# Altium PCB XTRXr5.PcbDoc (part 5 of 5)
Units mm, origin at the board's own origin, x right, y up, seen from the top; angles counter-clockwise.
Board outline 50.8 x 29.7 mm, 8 copper layers (Top Layer, Layer 2 Plain, Layer 3, Layer 4, Layer 5 Plane, Layer 6, Layer 7 Plane, Bottom Layer), stack 1.008 mm thick; 452 components, 359 nets, 1868 pads, 1040 vias.
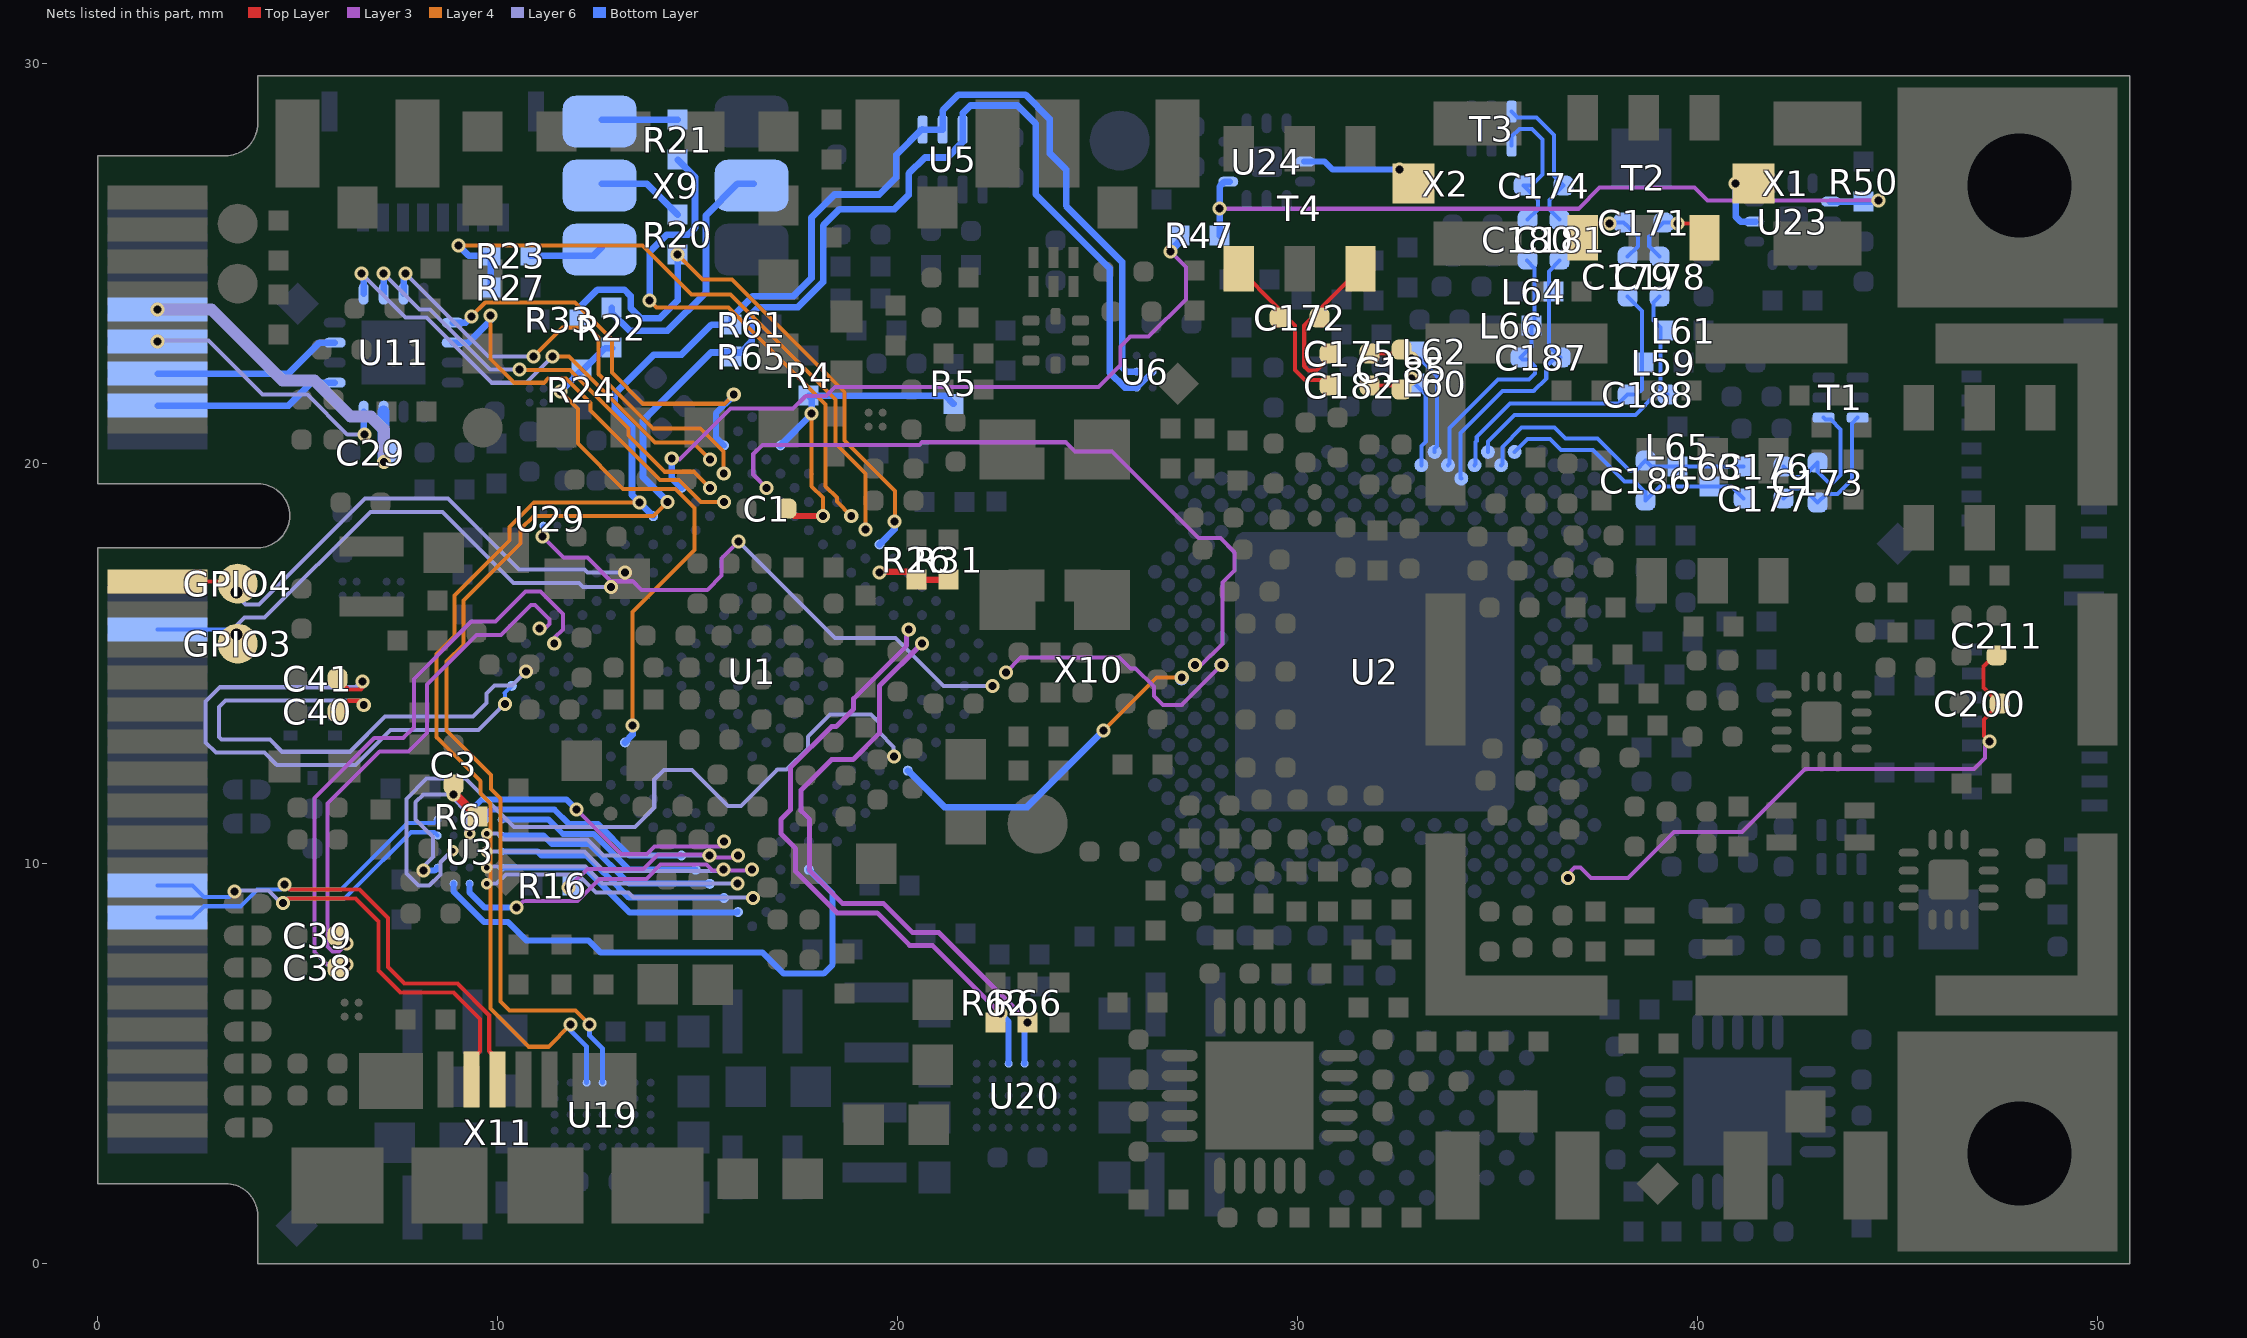
[diagram p11: the nets of this part, all layers, seen from the top]

## Via types
v1: diameter 0.352, hole 0.198, Top Layer to Bottom Layer, tented both sides, 495 vias
v2: diameter 0.352, hole 0.198, Layer 6 to Bottom Layer, tented both sides, 218 vias
v3: diameter 0.352, hole 0.198, Top Layer to Layer 3, tented both sides, 102 vias
v4: diameter 0.5, hole 0.3, Top Layer to Bottom Layer, tented both sides, 78 vias
v5: diameter 0.5, hole 0.25, Top Layer to Bottom Layer, tented both sides, 61 vias
v6: diameter 0.352, hole 0.198, Layer 6 to Bottom Layer, tented bottom, 31 vias
v7: diameter 0.352, hole 0.198, Top Layer to Bottom Layer, tented bottom, 19 vias
v8: diameter 0.29, hole 0.13, Layer 6 to Bottom Layer, tented both sides, 16 vias
v9: diameter 0.352, hole 0.198, Top Layer to Layer 3, tented top, 7 vias
v10: diameter 0.352, hole 0.198, Top Layer to Layer 3, tented bottom, 6 vias
v11: diameter 0.6, hole 0.3, Top Layer to Bottom Layer, tented both sides, 4 vias
v12: diameter 0.29, hole 0.13, Layer 6 to Bottom Layer, tented bottom, 2 vias
v13: diameter 0.352, hole 0.198, Top Layer to Layer 3, 1 vias

## Nets (pads, with @x,y where several pads share a name; then routed paths per layer and width w, separated by ;. In a path a pad name is that pad's centre, name@x,y a point inside that pad or via, vN(x,y) a via of type N, cw(c..) or ccw(c..) an arc to the next point about the centre after c; other vN are vias at no path point) (continued)
RXBW_P: C200.1 C211.1 U2.AN3 | length 15.1
  Top Layer w0.102: v3(47.3,13.05) 47.154,13.196 47.154,13.604 C200.1@47.55,14 47.15,14.4 47.15,14.925 47.4,15.175 C211.1@47.475,15.175
  Layer 3 w0.102: v1(36.754,9.639) 36.754,9.738 36.92,9.905 37.07,9.905 37.33,9.645 38.262,9.645 39.412,10.795 41.112,10.795 42.687,12.37 46.912,12.37 47.18,12.638 47.18,12.93 v3(47.3,13.05)
SCL1: R61.2 U1.M1 U5.5 U5.6 U6.B2 U19.E5 | length 47.7
  Layer 4 w0.102: v1(11.825,5.975) 11.273,5.423 10.777,5.423 9.825,6.375 9.825,11.5 9.575,11.75 9.575,12.062 8.475,13.162 8.475,15.242 8.925,15.692 8.925,16.7 10.3,18.075 10.3,18.413 10.912,19.025 v7(13.55,19.025)
  Bottom Layer w0.127: v1(11.825,5.975) 11.825,5.825 12.225,5.425 U19.E5@12.225,4.525
  Bottom Layer w0.17: U1.M1@13.887,18.688 v7(13.55,19.025) 13.361,19.214 13.361,20.919 12.925,21.355 12.925,21.743 13.908,22.725 14.6,22.725 15.35,23.475 R61.2@15.85,23.475 15.85,23.65 16.387,24.187 17.396,24.187 17.847,24.637 17.847,26.155 18.421,26.729 19.539,26.729 19.62,26.81 19.623,26.81 19.964,27.151 19.964,27.714 U5.5@20.613,28.363 ; U5.5@20.625,28.35 U5.6@21.125,28.35 21.125,28.825 21.525,29.225 23.192,29.225 23.8,28.617 23.8,27.763 24.213,27.35 24.213,26.446 25.612,25.046 25.612,22.413 25.725,22.3 U6.B2@25.975,22.3
SCL2: R62.2 U1.U14 U20.E5 | length 15.5
  Layer 3 w0.127: v7(20.276,15.851) 20.225,15.8 20.225,15.45 18.9,14.125 18.9,13.867 18.458,13.425 18.343,13.425 17.316,12.398 17.316,11.341 17.084,11.109 17.084,10.747 17.45,10.381 17.45,9.806 18.484,8.772 19.486,8.772 20.3,7.958 20.867,7.958 v1(22.575,6.25)
  Bottom Layer w0.152: v1(22.575,6.25) 22.775,6.05 U20.E5@22.775,5
SDA1: R65.2 U1.N1 U5.7 U6.B1 U6.C2 U19.D5 | length 47
  Layer 4 w0.102: v1(12.3,5.975) 11.95,6.325 10.3,6.325 10.075,6.55 10.075,11.625 9.832,11.868 9.832,12.218 8.725,13.325 8.725,15.05 9.146,15.471 9.146,16.576 10.575,18.004 10.575,18.369 10.902,18.697 13.897,18.697 v7(14.243,19.043)
  Bottom Layer w0.127: v1(12.3,5.975) 12.3,5.7 12.625,5.375 U19.D5@12.625,4.525
  Bottom Layer w0.15: U6.C2@25.975,21.9 U6.B1@26.375,22.3
  Bottom Layer w0.17: U1.N1@14.25,19.05 13.632,19.668 13.632,21.078 15.333,22.778 16.078,22.778 16.35,23.05 16.35,23.739 16.523,23.912 17.505,23.912 18.138,24.545 18.138,25.95 18.551,26.362 19.918,26.362 20.275,26.719 20.275,27.25 20.681,27.656 21.24,27.656 21.625,28.041 U5.7@21.625,28.35 21.625,28.76 21.818,28.953 22.997,28.953 23.45,28.5 23.45,26.736 25.3,24.886 25.3,22.278 25.678,21.9 U6.C2@25.975,21.9
SDA2: R66.2 U1.U15 U20.D5 | length 15.4
  Layer 3 w0.127: v7(20.607,15.507) 19.541,14.442 19.541,13.259 18.882,12.6 18.344,12.6 17.587,11.843 17.587,11.321 17.8,11.108 17.8,9.825 18.616,9.009 19.642,9.009 20.375,8.275 21.032,8.275 23.25,6.057 v1(23.25,6.025)
  Bottom Layer w0.152: U20.D5@23.175,5 23.175,5.95 v1(23.25,6.025)
SEL_VFLSH: R26.2 R31.1 U1.V11 | length 1.8
  Top Layer w0.17: v1(19.546,17.275) 19.571,17.3 20.275,17.3 R26.2@20.475,17.1 R31.1@21.275,17.1
SIM_CLK: U1.T1 U11.13 | length 11.7
  Layer 4 w0.102: v1(11.375,22.675) 11.781,22.675 13.931,20.525 14.882,20.525 v1(15.303,20.103)
  Layer 6 w0.102: v2(6.6,24.75) 7.7,23.65 8.225,23.65 9.852,22.023 10.712,22.023 11.364,22.675 v1(11.375,22.675)
  Bottom Layer w0.17: v2(6.6,24.75) 6.65,24.7 U11.13@6.65,24.25
SIM_DIO: U1.T2 U11.15 | length 12
  Layer 4 w0.102: v1(10.9,22.675) 11.625,23.4 12.275,23.4 12.525,23.15 12.525,22.236 13.886,20.875 15.075,20.875 15.651,20.299 v1(15.651,19.751)
  Layer 6 w0.102: v2(7.7,24.75) 9.771,22.679 10.896,22.679 v1(10.9,22.675)
  Bottom Layer w0.17: U11.15@7.65,24.25 7.65,24.7 v2(7.7,24.75)
SIM_ENA: U1.U1 U11.1 | length 10.4
  Layer 4 w0.102: v1(9.35,23.675) 9.35,23.689 9.689,24.028 11.934,24.028 12.853,23.109 12.853,22.283 13.638,21.498 15.672,21.498 v1(15.901,21.726)
  Bottom Layer w0.152: U1.U1@15.657,20.457 15.456,20.658 15.456,21.256 15.901,21.701 v1(15.901,21.726)
  Bottom Layer w0.17: U11.1@8.875,23.525 9.2,23.525 v1(9.35,23.675)
SIM_MOD: U1.R3 U11.2 | length 9.9
  Layer 4 w0.102: v1(9.825,23.7) 9.825,22.612 10.414,22.023 11.158,22.023 11.263,22.128 11.711,22.128 12.325,21.514 12.325,21.325 14.056,19.594 14.531,19.594 15.082,19.043 v1(15.657,19.043)
  Bottom Layer w0.17: U11.2@8.875,23.025 9.275,23.025 9.825,23.575 v1(9.825,23.7)
SIM_RST: U1.R2 U11.14 | length 11
  Layer 4 w0.102: v1(10.551,22.351) 10.555,22.347 11.803,22.347 13.275,20.875 13.275,20.7 14.177,19.798 14.902,19.798 v1(15.303,19.396)
  Layer 6 w0.102: v2(7.15,24.75) 8.047,23.853 8.309,23.853 9.811,22.351 v1(10.551,22.351)
  Bottom Layer w0.17: U11.14@7.15,24.25 v2(7.15,24.75)
T0_N: C41.1 U1.A2 | length 15
  Top Layer w0.102: C41.1@6,14.6 C41.1@6,14.625 6.273,14.352 6.577,14.352 6.625,14.4 v1(6.625,14.551)
  Layer 6 w0.102: v1@6.65,14.525 6.564,14.525 6.451,14.412 3.062,14.412 2.7,14.05 2.7,13.033 2.958,12.775 4.17,12.775 4.476,12.468 6.443,12.468 7.32,13.345 9.52,13.345 10.055,13.88 10.055,13.98 10.07,13.995 v2(10.18,13.995)
  Bottom Layer w0.102: v2(10.18,13.995) 10.18,14.262 10.175,14.268 U1.A2@10.354,14.446
T0_P: C40.1 U1.B2 | length 14.1
  Top Layer w0.102: C40.1@6,13.8 6.273,14.073 6.547,14.073 v1(6.652,13.968)
  Layer 6 w0.102: v1(6.652,13.968) 6.538,14.081 3.198,14.081 3.03,13.913 3.03,13.17 3.095,13.105 4.307,13.105 4.613,12.799 6.307,12.799 7.183,13.675 9.383,13.675 9.725,14.017 9.725,14.25 9.925,14.45 10.357,14.45 v2(10.707,14.8)
T1_N: C39.1 U1.D1 | length 13.5
  Top Layer w0.102: C39.1@6,8.2 6.225,7.975 v1(6.225,8)
  Layer 3 w0.102: v1(6.225,8) 6.03,7.805 5.87,7.805 5.75,7.925 5.75,11.508 7.051,12.809 7.775,12.809 8.237,13.271 8.237,14.481 9.476,15.72 10.087,15.72 10.837,16.47 10.936,16.47 11.3,16.106 11.3,15.992 11.183,15.875 v1(11.05,15.875)
  Bottom Layer w0.102: U1.D1@10.975,15.95 v1(11.05,15.875) 11.061,15.864 U1.D1@11.061,15.861
T1_P: C38.1 U1.D2 | length 14.9
  Layer 3 w0.102: v1(6.225,7.475) 5.733,7.475 5.592,7.617 5.42,7.788 5.42,11.645 6.914,13.139 7.639,13.139 7.907,13.408 7.907,14.618 9.339,16.05 9.95,16.05 10.7,16.8 11.073,16.8 11.63,16.243 11.63,15.855 11.425,15.65 11.425,15.518 v1(11.414,15.507)
T_SW: R47.1 U1.P1 | length 17.3
  Layer 3 w0.102: v1@14.35,20.1 14.545,20.1 15.823,21.378 17.388,21.378 17.702,21.692 18.212,21.692 18.438,21.918 25.018,21.918 25.566,22.466 25.566,22.926 25.814,23.175 26.275,23.175 27.208,24.108 27.208,24.917 v1(26.825,25.3)
  Bottom Layer w0.17: v1(14.351,20.126) 14.35,19.642 U1.P1@14.596,19.396
  Bottom Layer w0.2: v1(26.825,25.3) 26.825,25.325 R47.1@27.05,25.55
TA1_N: C173.2 C177.1 T1.3 | length 3.8
  Bottom Layer w0.102: C177.1@42.15,19.125 42.409,19.384 42.641,19.384 C173.2@43,19.025 43.221,19.246 43.496,19.246 43.854,19.604 43.854,21.004 T1.3@44,21.15
TA1_P: C173.1 C176.1 T1.4 | length 3.8
  Bottom Layer w0.102: C176.1@42.15,19.925 42.41,19.665 42.64,19.665 C173.1@43,20.025 43,19.8 43.275,19.525 43.38,19.525 43.575,19.72 43.575,20.854 43.329,21.099 43.201,21.099 T1.4@43.15,21.15
TA2_N: C171.2 C179.2 T2.2 | length 2.3
  Top Layer w0.102: T2.2@37.13,25.65 37.48,26 v1(37.8,26)
  Bottom Layer w0.102: v1@37.825,26.025 C171.2@38.15,26.025 38.201,25.974 38.211,25.974 38.51,25.675 38.51,25.435 C179.2@38.25,25.175
TA2_P: C171.1 C178.2 T2.1 | length 2.5
  Top Layer w0.102: v1(39.5,26) 40.17,26 T2.1@40.17,25.65
  Bottom Layer w0.102: C178.2@39.05,25.175 38.79,25.435 38.79,25.675 39.089,25.974 39.099,25.974 C171.1@39.15,26.025 39.475,26.025 v1(39.5,26)
TB1_N: C174.1 C181.1 T3.3 | length 3.8
  Bottom Layer w0.102: T3.3@35.35,28.8 35.5,28.65 35.975,28.65 36.29,28.335 36.29,28.333 36.404,28.219 36.404,27.196 C174.1@36.65,26.95 36.29,26.59 36.29,26.36 C181.1@36.55,26.1
TB1_P: C174.2 C180.1 T3.4 | length 3.8
  Bottom Layer w0.102: T3.4@35.35,27.95 35.35,28.175 35.544,28.369 35.859,28.369 36.125,28.103 36.125,27.225 35.85,26.95 C174.2@35.65,26.95 36.009,26.591 36.009,26.359 C180.1@35.75,26.1
TB2_N: C172.1 C182.2 T4.2 | length 4.5
  Top Layer w0.102: T4.2@28.53,24.875 29.499,23.906 C172.1@29.499,23.701 ; C172.1@29.499,23.451 C172.1@29.499,23.701 ; C182.2@30.8,21.95 30.654,22.096 30.18,22.096 29.936,22.341 29.936,23.45 29.787,23.599 29.601,23.599 C172.1@29.55,23.65 C172.1@29.499,23.701
TB2_P: C172.2 C175.2 T4.1 | length 4.3
  Top Layer w0.102: C172.2@30.601,23.451 C172.2@30.601,23.701 ; C175.2@30.8,22.75 30.749,22.699 30.749,22.599 30.475,22.325 30.275,22.325 30.164,22.436 30.164,23.45 30.314,23.599 30.499,23.599 C172.2@30.55,23.65 C172.2@30.601,23.701 ; T4.1@31.57,24.875 30.601,23.906 C172.2@30.601,23.701
TCK: R22.1 X9.5 | length 6.5
  Bottom Layer w0.17: R22.1@12.85,23.9 12.85,23.766 13.291,23.325 14.25,23.325 15.208,24.283 15.208,26.208 16,27 X9.5@16.4,27
TCK_0: R22.2 R24.2 U1.C8 | length 13.4
  Layer 4 w0.102: v1(11.575,21.8) 12.003,21.372 12.003,20.503 13.135,19.371 14.445,19.371 14.925,18.892 14.925,17.846 13.372,16.293 13.372,13.453 v1(13.375,13.45)
  Bottom Layer w0.17: v1(11.575,21.8) R24.2@12.1,22.325 ; R22.2@12.862,22.888 12.688,22.888 R24.2@12.125,22.325 ; U1.C8@13.182,13.032 13.375,13.225 v1(13.375,13.45) ; R24.2@12.1,22.325 R24.2@12.125,22.325 ; R24.2@12.1,22.325 R24.2@12.1,22.35 R24.2@12.125,22.325
TDD_GPIO3_N: GPIO4.1 U1.J2 X10.17 | length 13.9
  Top Layer w0.102: X10.17@1.5,17.05 GPIO4.1@3.45,17.05
  Layer 6 w0.102: v4@3.5,17 3.5,16.675 3.695,16.48 4.038,16.48 6.683,19.125 8.755,19.125 10.53,17.35 12.167,17.35 12.242,17.275 v2(13.182,17.275)
  other v4: 3.475,16.775
TDD_GPIO3_P: GPIO3.1 U1.H2 X10.20 | length 13.6
  Layer 6 w0.102: v4(3.475,15.725) 3.475,15.95 3.675,16.15 4.175,16.15 6.82,18.795 8.618,18.795 10.393,17.02 12.03,17.02 12.129,16.921 v2(12.828,16.921)
  Bottom Layer w0.102: X10.20@1.5,15.85 3.35,15.85 v4(3.475,15.725)
TDI: R20.1 X9.2 | length 2.2
  Bottom Layer w0.17: X9.2@12.6,27 13.725,27 R20.1@14.5,26.225
TDI_0: R20.2 R33.1 U1.W10 | length 14.5
  Layer 4 w0.102: v1(14.5,25.225) 15.125,24.6 15.861,24.6 18.675,21.786 18.675,20.575 19.928,19.322 19.928,18.553 v1(19.925,18.55)
  Bottom Layer w0.17: 12.05,23.9 12.5,24.35 13.164,24.35 13.325,24.189 13.325,23.887 13.575,23.637 14.062,23.637 14.5,24.075 v1(14.5,25.225) ; U1.W10@19.546,17.982 19.925,18.361 v1(19.925,18.55)
TDO: R21.1 X9.1 | length 1.9
  Bottom Layer w0.17: X9.1@12.6,28.6 R21.1@14.5,28.6
TDO_0: R21.2 U1.W8 | length 13
  Layer 4 w0.102: v1(13.8,24.075) 13.975,23.9 15.775,23.9 18.2,21.475 18.2,19.436 18.478,19.157 18.478,19.05 v1(18.839,18.689)
  Bottom Layer w0.17: v1(13.8,24.075) 13.8,25.289 14.236,25.725 14.764,25.725 14.937,25.898 14.937,27.163 R21.2@14.5,27.6
TMS: R23.1 X9.3 | length 1.9
  Bottom Layer w0.17: R23.1@10.825,25.2 12.4,25.2 X9.3@12.55,25.35 X9.3@12.6,25.4
TMS_0: R23.2 R27.1 U1.W9 | length 16.3
  Layer 4 w0.102: v1(9.025,25.45) 13.625,25.45 14.85,24.225 15.825,24.225 18.45,21.6 18.45,20.5 19.192,19.758 v1(19.192,18.354)
  Bottom Layer w0.17: v1(9.025,25.45) 9.275,25.2 R23.2@9.825,25.2 9.825,25.025 R27.1@9.825,24.4
TX_EN: U1.W19 U2.U29 | length 6.6
  Layer 3 w0.102: v1(22.703,14.777) 23.075,15.15 25.55,15.15 25.817,14.883 25.951,14.883 26.405,14.429 26.405,14.195 26.627,13.972 27.101,13.972 v1(28.096,14.967)
TX_SW: R47.2 R50.2 U23.7 U24.7 | length 19.6
  Layer 3 w0.102: v1(28.05,26.375) 28.052,26.373 37.023,26.373 37.55,26.9 39.925,26.9 40.25,26.575 v1(44.525,26.575)
  Bottom Layer w0.17: R47.2@28.05,25.7 v1(28.05,26.375) 28.05,26.925 28.175,27.05 U24.7@28.295,27.05 ; U23.7@43.305,26.55 U23.7@43.335,26.55 R50.2@44.15,26.55 44.5,26.55 v1(44.525,26.575)
TXA: U23.2 X1.1 | length 1.4
  Bottom Layer w0.17: v1(40.95,27) 40.95,26.175 41.075,26.05 U23.2@41.415,26.05 U23.2@41.445,26.05
TXA1_N: C177.2 C186.2 L63.2 U2.A7 | length 6.9
  Bottom Layer w0.102: U2.A7@35.422,20.295 35.748,20.621 36.309,20.621 36.584,20.346 37.379,20.346 38.175,19.55 38.425,19.55 38.7,19.275 C186.2@38.7,19.075 39.06,19.435 40.84,19.435 C177.2@41.15,19.125
TXA1_P: C176.2 C186.1 L65.2 U2.B8 | length 7.3
  Bottom Layer w0.102: U2.B8@35.089,19.962 35.116,19.989 35.116,20.421 35.595,20.9 36.425,20.9 36.7,20.625 37.495,20.625 38.291,19.829 38.454,19.829 C186.1@38.7,20.075 38.85,19.925 L65.2@39.5,19.925 C176.2@41.15,19.925
TXA2_N: C179.1 C188.2 L59.2 U2.B10 | length 7.8
  Bottom Layer w0.102: U2.B10@34.423,19.962 34.45,19.989 34.45,20.54 34.476,20.567 34.476,20.671 35.305,21.5 38.025,21.5 C188.2@38.25,21.725 38.475,21.725 38.61,21.86 38.61,23.815 C179.1@38.25,24.175
TXA2_P: C178.1 C188.1 L61.2 U2.A9 | length 7.9
  Bottom Layer w0.102: U2.A9@34.756,20.295 34.756,20.555 35.421,21.221 38.445,21.221 38.949,21.725 C188.1@39.25,21.725 39.075,21.9 39.075,23.408 38.9,23.583 38.9,24.025 C178.1@39.05,24.175
TXB: U24.2 X2.1 | length 2.5
  Bottom Layer w0.152: U24.2@30.155,27.55 U24.2@30.185,27.55 30.675,27.55 30.875,27.35 v1(32.55,27.35)
TXB1_N: C181.2 C187.1 L64.2 U2.C11 | length 7.3
  Bottom Layer w0.102: U2.C11@34.09,19.629 34.075,19.643 34.075,20.771 35.125,21.821 35.901,21.821 36.215,22.134 36.215,22.425 36.389,22.599 36.524,22.599 C187.1@36.575,22.65 36.279,22.946 36.279,24.804 C181.2@36.55,25.075
TXB1_P: C180.2 C187.2 L66.2 U2.B12 | length 6.9
  Bottom Layer w0.102: U2.B12@33.757,19.962 33.796,20.001 33.796,20.886 35.009,22.1 35.785,22.1 35.935,22.25 35.935,22.425 35.761,22.599 35.626,22.599 C187.2@35.575,22.65 35.85,22.925 L66.2@35.85,23.45 ; C180.2@35.733,25.075 35.923,24.885 L66.2@35.923,23.45
TXB2_N: C182.1 C185.1 L60.2 U2.B14 | length 2.9
  Top Layer w0.102: C182.1@31.8,21.95 C185.1@32.5,21.95
  Bottom Layer w0.102: L60.2@32.925,22 33.202,21.723 33.202,20.552 33.091,20.441 U2.B14@33.091,19.962
  other v1: 32.85,22.125
TXB2_P: C175.1 C185.2 L62.2 U2.A13 | length 3.2
  Top Layer w0.102: C175.1@31.8,22.75 C185.2@32.5,22.75
  Bottom Layer w0.102: L62.2@33.049,22.625 33.483,22.191 33.484,20.436 33.424,20.375 U2.A13@33.424,20.295
  other v1: 32.85,22.625
TXNRX1: U1.M19 U2.V32 | length 8.6
  Layer 4 w0.102: v1(25.15,13.325) 26.476,14.651 v1(27.101,14.651)
  Bottom Layer w0.17: U1.M19@20.253,12.325 21.165,11.413 23.238,11.413 v1(25.15,13.325)
TXNRX2: U1.U4 U2.U31 | length 17.6
  Layer 3 w0.102: v1(16.718,19.396) 16.389,19.725 16.389,20.239 16.618,20.469 20.539,20.469 20.607,20.536 24.201,20.536 24.437,20.3 25.36,20.3 27.52,18.14 28.072,18.14 28.426,17.786 28.426,17.334 28.117,17.025 28.117,15.496 27.587,14.967 v1(27.43,14.967)
UIM_CLK: U11.11 X10.12 | length 4.7
  Bottom Layer w0.17: X10.12@1.5,22.25 4.775,22.25 5.55,23.025 U11.11@5.925,23.025
UIM_DIO: U11.8 X10.10 | length 6.7
  Layer 6 w0.102: v2@1.525,23.075 2.775,23.075 4.125,21.725 5.239,21.725 6.238,20.726 v2(6.675,20.726)
  Bottom Layer w0.17: v2@6.65,20.725 U11.8@6.65,21.3
  other v2: 1.5,23.05
UIM_RST: U11.9 X10.14 | length 4.7
  Bottom Layer w0.17: X10.14@1.5,21.45 4.775,21.45 5.35,22.025 U11.9@5.925,22.025
UIM_VCC: C29.1 U11.7 X10.8 | length 9
  Layer 6 w0.3: v2@1.5,23.85 2.85,23.85 4.625,22.075 5.425,22.075 6.325,21.175 6.831,21.175 7.154,20.852 v2(7.154,20.046)
  Bottom Layer w0.3: v2@7.15,20.046 U11.7@7.15,21.3
  other v2: 1.5,23.85
USB_3.3V: C3.2 R6.1 U3.B1 U3.D3 | length 5.6
  Top Layer w0.203: C3.2@8.9,11.975 8.9,11.775 R6.1@9.5,11.175
  Layer 6 w0.102: v2(8.15,9.825) 8.15,9.936 8.378,10.164 8.378,10.672 7.947,11.103 7.947,11.537 8.139,11.729 v1(8.896,11.729)
  Layer 6 w0.25: v1(8.896,11.729) 9.3,11.325 v8(9.3,10.75)
  Bottom Layer w0.152: v2(8.15,9.825) 8.425,9.825 U3.B1@8.5,9.9
USB_26M: U1.E19 U3.A2 | length 13.2
  Bottom Layer w0.15: U3.A2@8.9,9.5 8.9,9.3 9.653,8.547 10.253,8.547 10.725,8.075 12.275,8.075 12.575,7.775 16.625,7.775 17.15,7.25 18.15,7.25 18.375,7.475 18.375,9.253 U1.E19@17.778,9.85
USB_CLK: R16.2 U1.C16 | length 4.6
  Layer 3 w0.102: v1(11.776,9.4) 12.247,9.872 13.645,9.872 14.005,10.232 15.245,10.232 15.327,10.15 v1@16,10.15
  other v1: 16.007,10.2
USB_D0: U1.B17 U3.B4 | length 6.5
  Layer 6 w0.102: v8(9.725,9.9) 9.757,9.932 12.193,9.932 12.625,9.5 v2@16.05,9.5
  other v2: 16,9.507
USB_D1: U1.A17 U3.C5 | length 6.1
  Bottom Layer w0.15: U3.C5@10.1,10.3 11,10.3 11.1,10.2 12.231,10.2 12.604,9.827 12.752,9.679 13.281,9.15 U1.A17@15.675,9.15
USB_D2: U1.B16 U3.C4 | length 6.1
  Layer 6 w0.102: v12(9.725,10.3) 12.175,10.3 12.653,9.822 15.597,9.822 v2@15.625,9.85
  other v2: 15.65,9.857
USB_D3: U1.A16 U3.D5 | length 5.7
  Bottom Layer w0.15: U3.D5@10.1,10.7 11.15,10.7 11.359,10.491 12.296,10.491 13.287,9.5 U1.A16@15.3,9.5
USB_D4: U1.B15 U3.D4 | length 5.8
  Layer 6 w0.102: v12(9.725,10.75) 10,10.75 10.15,10.6 12.25,10.6 12.65,10.2 v2@15.3,10.2
  other v2: 15.3,10.207
USB_D5: U1.A15 U3.E5 | length 5.4
  Bottom Layer w0.15: U3.E5@10.1,11.1 11.275,11.1 11.633,10.742 12.4,10.742 13.292,9.85 U1.A15@14.95,9.85
USB_D6: U1.A14 U3.E4 | length 5.6
  Bottom Layer w0.15: U3.E4@9.7,11.1 9.7,11.225 9.83,11.355 11.414,11.355 11.776,10.994 12.504,10.994 13.294,10.204 U1.A14@14.596,10.204
USB_D7: U1.C15 U3.E3 | length 7.4
  Layer 3 w0.102: v1(11.975,11.35) 13.078,10.247 13.732,10.247 13.921,10.435 15.56,10.435 v1@15.675,10.55
  Bottom Layer w0.15: U3.E3@9.3,11.1 9.3,11.3 9.607,11.607 11.718,11.607 v1(11.975,11.35)
  other v1: 15.657,10.55
USB_D_N: U3.D1 X10.36 X11.2 | length 16.7
  Top Layer w0.102: v1(4.634,9.017) 4.742,9.125 6.45,9.125 7.025,8.55 7.025,7.325 7.575,6.775 8.9,6.775 9.561,6.114 9.561,5.311 9.35,5.1 X11.2@9.35,4.6
  Layer 6 w0.102: v2(3.425,9.3) 3.455,9.33 4.27,9.33 4.625,8.975 4.65,9 v1(4.634,9.017)
  Bottom Layer w0.102: X10.36@1.5,9.45 2.375,9.45 2.661,9.164 3.289,9.164 v2(3.425,9.3) ; v1(4.634,9.017) 4.634,9.034 4.726,9.126 6.175,9.125 6.4,9.35 7.836,10.786 8.414,10.786 U3.D1@8.5,10.7
USB_D_P: U3.E1 X10.38 X11.3 | length 17
  Top Layer w0.102: v1(4.675,9.475) 4.796,9.354 6.545,9.354 7.254,8.645 7.254,7.42 7.67,7.004 8.995,7.004 9.789,6.209 9.789,5.311 10,5.1 X11.3@10,4.6
  Bottom Layer w0.102: X10.38@1.5,8.65 2.375,8.65 2.66,8.935 3.569,8.935 3.981,9.348 4.092,9.348 4.098,9.354 4.579,9.354 4.675,9.45 v1(4.675,9.475) 4.7,9.475 4.821,9.354 6.081,9.354 7.741,11.014 8.414,11.014 U3.E1@8.5,11.1
USB_DIR: U1.B18 U3.A4 | length 7.1
  Layer 6 w0.102: v8(9.725,9.5) 9.975,9.5 10.204,9.729 12.003,9.729 12.454,9.277 13.273,9.277 13.4,9.15 v2@16.45,9.15
  other v2: 16.383,9.144
USB_NRST: U1.M18 U3.C2 | length 19.8
  Layer 6 w0.102: v8(8.875,10.325) 8.861,10.325 8.572,10.036 8.572,9.732 8.289,9.45 8.025,9.45 7.722,9.753 7.722,11.622 8.225,12.125 9.2,12.125 10.403,10.922 13.435,10.922 13.914,11.4 13.914,12.108 14.153,12.347 14.853,12.347 15.753,11.447 16.087,11.447 16.99,12.35 17.225,12.35 17.754,12.879 17.754,13.174 18.309,13.728 19.336,13.728 19.528,13.536 19.528,13.292 19.9,12.921 19.9,12.678 v2(19.903,12.675)
USB_NXT: U1.A18 U3.B5 | length 6.4
  Bottom Layer w0.15: U3.B5@10.1,9.9 12.175,9.9 12.497,9.578 12.5,9.575 13.3,8.775 15.975,8.775 U1.A18@16,8.8
USB_STP: U1.C17 U3.A3 | length 7.9
  Layer 3 w0.102: v1(10.475,8.9) 10.647,9.072 11.997,9.072 12.547,9.622 13.722,9.622 14.075,9.975 15.214,9.975 15.364,9.825 v1@16.35,9.825
  Bottom Layer w0.15: U3.A3@9.3,9.5 9.3,9.275 9.675,8.9 v1(10.475,8.9)
  other v1: 16.357,9.85
VCC_SEL: U1.V19 U29.B1 | length 14.3
  Layer 3 w0.102: v1(11.125,18.175) 11.65,17.65 12.247,17.65 12.836,17.061 13.377,17.061 13.594,16.843 15.239,16.843 15.6,17.204 15.6,17.625 v1(16.025,18.05)
  Layer 6 w0.102: v1(16.025,18.05) 18.428,15.647 19.945,15.647 21.146,14.446 v2(22.374,14.446)
  Bottom Layer w0.102: v1(11.125,18.175) 11.133,18.183 11.133,18.442 U29.B1@11.142,18.45
VREF: C1.2 R4.2 R5.1 U1.V7 U1.W3 | length 9
  Top Layer w0.15: C1.2@17.225,18.875 17.411,18.689 v7(18.132,18.689)
  Layer 4 w0.102: v1(17.85,21.25) 17.85,19.435 18.132,19.154 v7(18.132,18.689)
  Bottom Layer w0.17: U1.W3@17.071,20.457 17.85,21.236 v1(17.85,21.25) 17.85,21.625 R4.2@17.775,21.7 21.192,21.7 R5.1@21.396,21.496
pads on no net: T1.6 T2. T3.6 T4. T6.6 T7. T9.6 T10. U1.A11 U1.B11 U1.J18 U1.K18 U1.P18 U1.R18 U1.T18 U1.U18 U1.V13 U2.A5 U2.A21 U2.AA5 U2.AB2 U2.AB4 U2.AB6 U2.AC3 U2.AC5 U2.AD2 U2.AE1 U2.AE5 U2.AG3 U2.AG33 U2.AH2 U2.AH4 U2.AH32 U2.AJ1 U2.AJ3 U2.AJ5 U2.AJ11 U2.AJ13 U2.AJ21 U2.AJ27 U2.AJ29 U2.AJ31 U2.AJ33 U2.AK2 U2.AK4 U2.AK6 U2.AK8 U2.AK10 U2.AK26 U2.AK28 U2.AK30 U2.AK32 U2.AK34 U2.AL3 U2.AL5 U2.AL7 U2.AL9 U2.AL11 U2.AL27 U2.AL29 U2.AL31 U2.AL33 U2.AM6 U2.AM10 U2.AM24 U2.AM28 U2.AM30 U2.AM34 U2.AN27 U2.AN29 U2.AN31 U2.AP30 U2.AP32 U2.B2 U2.B4 U2.C1 U2.C3 U2.C5 U2.C9 U2.C13 U2.C15 U2.C17 U2.C19 U2.C27 U2.C31 U2.D2 U2.D4 U2.D8 U2.D10 U2.D12 U2.D14 U2.D18 U2.D26 U2.D30 U2.D32 U2.E3 U2.E9 U2.E11 U2.E13 U2.E15 U2.E23 U2.E29 U2.E31 U2.F2 U2.F4 U2.F10 U2.F12 U2.F14 U2.F16 U2.F26 U2.F32 U2.G1 U2.G29 U2.J1 U2.M2 U2.M6 U2.V30 U2.Y6 U4'.A1 U4'.A2 U4'.A3 U4'.A4 U4'.B1 U4'.C1 U4'.C3 U4'.D1 U4'.E1 U4'.E2 U4'.E3 U4'.E4 U4'.F1 U4'.F2 U4'.F3 U4'.F4 U4.A2 U4.A3 U4.A4 U4.A5 U4.B1 U4.B5 U4.C1 U4.C3 U4.C5 U4.D1 U4.D5 U4.E1 U4.E2 U4.E3 U4.E4 U4.E5 U6.C1 U11.4 U11.6 U11.12 U11.16 U13.7 U13.8 U13.11 U13.12 U19.D2 U20.D2 U21.9 U21.17 U22.9 U22.17 U25.1 U25.8 U25.10 U25.11 U25.12 U25.14 U26.1 U26.8 U26.10 U26.11 U26.12 U26.14 U30.1 U30.9 X10.1 X10.6 X10.16 X10.24 X10.28 X10.48 X11.4

## Polygon pours and split planes (outlines as drawn)
GND on Layer 4 "gnd-4" (solid, remove dead copper, pour order 17): 50.778,0.004 50.778,29.704 -0.022,29.704 -0.022,0.004
GND on Top Layer "gnd-top" (solid, remove dead copper, pour order 19): 2.9,29.7 2.9,0 50.8,0 50.8,29.7
GND on Layer 3 "gnd-3" (solid, remove dead copper, pour order 18): 50.723,-0.011 50.723,29.689 -0.077,29.689 -0.077,-0.011
GND on Layer 6 "gnd-6" (solid, remove dead copper, pour order 14): 50.8,0 50.8,29.7 0,29.7 0,0
GND on Bottom Layer "gnd-bot" (solid, remove dead copper, pour order 16): 50.691,0.008 50.691,29.708 2.791,29.708 2.791,0.008
GND on Layer 2 Plain (split plane): 50.598,0.202 4.202,0.202 4.202,1.2 4.194,1.331 4.168,1.459 4.126,1.584 4.068,1.701 3.995,1.81 3.909,1.909 3.81,1.995 3.701,2.068 3.584,2.126 3.459,2.168 3.331,2.194 3.2,2.202 0.202,2.202 0.202,17.698 4,17.698 4.131,17.706 4.259,17.732 4.384,17.774 4.501,17.832 4.61,17.905 4.709,17.991 4.795,18.09 4.868,18.199 4.926,18.316 4.968,18.441 4.994,18.569 5.002,18.7 4.994,18.831 4.968,18.959 4.926,19.084 4.868,19.201 4.795,19.31 4.709,19.409 4.61,19.495 4.501,19.568 4.384,19.626 4.259,19.668 4.131,19.694 4,19.702 0.202,19.702 0.202,27.498 3.2,27.498 3.331,27.506 3.459,27.532 3.584,27.574 3.701,27.632 3.81,27.705 3.909,27.791 3.995,27.89 4.068,27.999 4.126,28.116 4.168,28.241 4.194,28.369 4.202,28.5 4.202,29.498 50.598,29.498
+3.3/5VIN on Layer 5 Plane (split plane): 10.723,15.809 9.282,14.368 9.25,14.326 9.23,14.277 9.223,14.225 9.223,12.4 9.223,11.325 9.223,10.484 7.982,9.243 7.95,9.201 7.93,9.152 7.923,9.1 7.923,8.475 7.93,8.423 7.95,8.374 7.982,8.332 9.332,6.982 9.374,6.95 9.423,6.93 9.475,6.923 25.998,6.923 25.998,1.527 16.8,1.527 16.748,1.52 16.699,1.5 16.657,1.468 16.091,0.902 15.159,0.902 12.143,3.918 12.101,3.95 12.052,3.97 12,3.977 10.434,3.977 6.502,7.909 6.502,13.091 6.743,13.332 6.775,13.374 6.795,13.423 6.802,13.475 6.802,15.541 7.343,16.082 7.375,16.124 7.395,16.173 7.402,16.225 7.402,18.823 10.723,18.823
GND on Layer 5 Plane (split plane): 50.598,0.202 4.202,0.202 4.202,1.2 4.194,1.331 4.168,1.459 4.126,1.584 4.068,1.701 3.995,1.81 3.909,1.909 3.81,1.995 3.701,2.068 3.584,2.126 3.459,2.168 3.331,2.194 3.2,2.202 0.202,2.202 0.202,17.698 4,17.698 4.131,17.706 4.259,17.732 4.384,17.774 4.501,17.832 4.61,17.905 4.709,17.991 4.795,18.09 4.868,18.199 4.926,18.316 4.968,18.441 4.994,18.569 5.002,18.7 4.994,18.831 4.968,18.959 4.926,19.084 4.868,19.201 4.795,19.31 4.709,19.409 4.61,19.495 4.501,19.568 4.384,19.626 4.259,19.668 4.131,19.694 4,19.702 0.202,19.702 0.202,27.498 3.2,27.498 3.331,27.506 3.459,27.532 3.584,27.574 3.701,27.632 3.81,27.705 3.909,27.791 3.995,27.89 4.068,27.999 4.126,28.116 4.168,28.241 4.194,28.369 4.202,28.5 4.202,29.498 50.598,29.498
+1.0V_VCCINT on Layer 5 Plane (split plane): 18.023,15.616 18.023,15.33 17.52,14.827 16.875,14.827 16.823,14.82 16.774,14.8 16.732,14.768 16.339,14.374 16.307,14.332 16.286,14.283 16.28,14.231 16.28,13.587 15.582,12.889 15.55,12.848 15.53,12.799 15.523,12.747 15.523,10.509 14.382,9.368 13.618,9.368 12.452,10.534 12.452,11.716 13.78,13.045 13.812,13.087 13.832,13.135 13.839,13.188 13.839,13.829 15.634,15.623 16.45,15.623 16.502,15.63 16.551,15.65 16.593,15.682 16.923,16.012 17.627,16.012
+1.8/3.3VCCIO on Layer 5 Plane (split plane): 17.532,23.507 17.574,23.475 17.623,23.455 17.675,23.448 22.966,23.448 24.298,22.116 24.298,11.95 24.305,11.898 24.325,11.849 24.357,11.807 25.457,10.707 25.648,10.516 25.648,10.025 25.648,8.602 25.655,8.549 25.675,8.501 25.707,8.459 25.959,8.207 25.998,8.177 25.998,7.327 9.559,7.327 8.327,8.559 8.327,9.016 9.568,10.257 9.6,10.299 9.62,10.348 9.627,10.4 9.627,12.4 9.627,14.141 11.068,15.582 11.1,15.624 11.12,15.673 11.127,15.725 11.127,19.171 11.127,22.916 12.084,23.873 17.166,23.873
+3,3V on Layer 5 Plane (split plane): 44.823,22.916 44.823,12.85 44.83,12.798 44.85,12.749 44.882,12.707 45.436,12.154 45.436,8.913 45.443,8.86 45.463,8.812 45.495,8.77 46.223,8.041 46.223,6.709 45.716,6.202 40.55,6.202 40.498,6.195 40.449,6.175 40.407,6.143 36.116,1.852 28.65,1.852 28.598,1.845 28.549,1.825 28.507,1.793 28.182,1.468 27.766,1.052 26.759,1.052 26.402,1.409 26.402,7.125 26.402,8.148 29.673,8.148 29.673,6.7 29.673,5.5 29.673,5.2 29.68,5.148 29.7,5.099 29.732,5.057 30.557,4.232 30.599,4.2 30.648,4.18 30.7,4.173 35.325,4.173 35.377,4.18 35.426,4.2 35.468,4.232 43.218,11.982 43.25,12.024 43.27,12.073 43.277,12.125 43.277,19.875 43.27,19.927 43.25,19.976 43.218,20.018 36.993,26.243 36.951,26.275 36.902,26.295 36.85,26.302 32.45,26.302 32.398,26.295 32.363,26.281 32.349,26.275 32.307,26.243 31.165,25.1 31.133,25.058 31.113,25.01 31.106,24.957 31.106,22.077 24.702,22.077 24.702,22.2 24.695,22.252 24.675,22.301 24.643,22.343 23.193,23.793 23.151,23.825 23.102,23.845 23.05,23.852 17.759,23.852 17.393,24.218 17.351,24.25 17.302,24.27 17.25,24.277 12,24.277 11.948,24.27 11.899,24.25 11.857,24.218 10.782,23.143 10.75,23.101 10.73,23.052 10.723,23 10.723,19.227 7.402,19.227 7.402,22.491 8.018,23.107 8.036,23.131 8.05,23.149 8.058,23.169 8.07,23.198 8.077,23.25 8.077,24.291 11.484,27.698 40.041,27.698
+1.25V_VALMS on Layer 5 Plane (split plane): 35.707,19.607 38.698,16.616 38.698,14.884 34.916,11.102 34.475,11.102 34.423,11.095 34.374,11.075 34.332,11.043 31.841,8.552 26.185,8.552 26.052,8.685 26.052,10.025 26.052,10.398 31.325,10.398 31.377,10.405 31.426,10.425 31.468,10.457 33.868,12.857 33.9,12.899 33.92,12.948 33.927,13 33.927,19.3 33.92,19.352 33.9,19.401 33.868,19.443 31.509,21.801 31.509,22.023 33.291,22.023
+1.4V_VALMS on Layer 5 Plane (split plane): 36.473,22.941 36.473,22.75 36.473,21.9 36.48,21.848 36.5,21.799 36.532,21.757 38.132,20.157 38.174,20.125 38.223,20.105 38.275,20.098 39.041,20.098 40.598,18.541 40.598,13.769 33.731,6.902 30.077,6.902 30.077,8.148 31.925,8.148 31.977,8.155 32.026,8.175 32.068,8.207 34.559,10.698 35,10.698 35.052,10.705 35.101,10.725 35.143,10.757 39.043,14.657 39.075,14.699 39.095,14.748 39.102,14.8 39.102,16.7 39.095,16.752 39.075,16.801 39.043,16.843 35.993,19.893 33.518,22.368 33.476,22.4 33.427,22.42 33.375,22.427 31.509,22.427 31.509,24.098 35.316,24.098
+1.8V_VALMS on Layer 5 Plane (split plane): 42.873,19.791 42.873,12.209 35.241,4.577 30.784,4.577 30.077,5.284 30.077,6.498 33.815,6.498 33.867,6.505 33.916,6.525 33.958,6.557 40.943,13.542 40.975,13.584 40.995,13.633 41.002,13.685 41.002,18.625 40.995,18.677 40.975,18.726 40.943,18.768 39.268,20.443 39.226,20.475 39.177,20.495 39.125,20.502 38.359,20.502 36.877,21.984 36.877,22.75 36.877,23.025 36.87,23.077 36.85,23.126 36.818,23.168 35.543,24.443 35.501,24.475 35.452,24.495 35.4,24.502 31.509,24.502 31.509,24.874 32.534,25.898 36.766,25.898
+1.8/3.3VDLMS on Layer 5 Plane (split plane): 28.523,20.625 28.523,17.314 27.7,17.314 27.371,17.643 27.33,17.675 27.281,17.695 27.229,17.702 26.175,17.702 26.123,17.695 26.074,17.675 26.032,17.643 26,17.601 25.98,17.552 25.973,17.5 25.973,15.875 25.98,15.823 26,15.774 26.032,15.732 27.073,14.691 27.073,12.5 27.08,12.448 27.1,12.399 27.132,12.357 28.198,11.291 28.198,10.802 25.934,10.802 25.743,10.993 24.702,12.034 24.702,21.673 28.523,21.673
+1.2VDLMS on Layer 5 Plane (split plane): 27.473,16.97 27.515,16.938 27.564,16.918 27.616,16.911 28.641,16.911 29.498,16.054 29.498,10.85 29.505,10.802 28.602,10.802 28.602,11.375 28.595,11.427 28.581,11.462 28.575,11.476 28.543,11.518 27.477,12.584 27.477,14.775 27.47,14.827 27.45,14.876 27.418,14.918 26.377,15.959 26.377,17.298 27.145,17.298
GND on Layer 5 Plane (split plane): 31.113,21.665 31.133,21.617 31.165,21.575 33.523,19.216 33.523,13.084 31.241,10.802 29.895,10.802 29.902,10.85 29.902,16.138 29.895,16.19 29.875,16.239 29.843,16.28 28.927,17.196 28.927,21.673 31.111,21.673
GND on Layer 7 Plane (split plane): 50.598,0.202 4.202,0.202 4.202,1.2 4.194,1.331 4.168,1.459 4.126,1.584 4.068,1.701 3.995,1.81 3.909,1.909 3.81,1.995 3.701,2.068 3.584,2.126 3.459,2.168 3.331,2.194 3.2,2.202 0.202,2.202 0.202,17.698 4,17.698 4.131,17.706 4.259,17.732 4.384,17.774 4.501,17.832 4.61,17.905 4.709,17.991 4.795,18.09 4.868,18.199 4.926,18.316 4.968,18.441 4.994,18.569 5.002,18.7 4.994,18.831 4.968,18.959 4.926,19.084 4.868,19.201 4.795,19.31 4.709,19.409 4.61,19.495 4.501,19.568 4.384,19.626 4.259,19.668 4.131,19.694 4,19.702 0.202,19.702 0.202,27.498 3.2,27.498 3.331,27.506 3.459,27.532 3.584,27.574 3.701,27.632 3.81,27.705 3.909,27.791 3.995,27.89 4.068,27.999 4.126,28.116 4.168,28.241 4.194,28.369 4.202,28.5 4.202,29.498 50.598,29.498

## Keep-outs
Keep-Out Layer:
  the board outline again, w0.102

## Other copper
Top Layer:
  pour cut-out: 2.85,9.45 3.85,9.45 3.85,8.675 2.85,8.675
  pour cut-out: 8.9,29 17.55,29 17.55,20.5 8.9,20.5
  pour cut-out: 22.029,21.1 24.425,21.1 24.425,19.675 25.825,19.675 25.821,15.85 22.029,15.85
Layer 7 Plane (plane layer: these items are gaps in the copper):
  rectangle: 9.025,10.05 9.575,10.6
Layer 5 Plane (plane layer: these items are gaps in the copper):
  lines w0.4: 7.175,19.025 10.925,19.025 10.925,23 12,24.075 14.025,24.075 17.25,24.075 17.675,23.65 23.05,23.65 24.5,22.2 24.5,11.95 25.6,10.85 25.85,10.6 ; 9.425,11.325 9.425,14.225 10.925,15.725 10.925,19.171 ; 9.425,12.4 9.425,10.4 8.125,9.1 8.125,8.475 9.475,7.125 26.2,7.125 ; 24.5,21.875 28.725,21.875 28.725,17.113 ; 26.2,8.35 26.2,7.125 ; 28.4,10.6 28.4,11.375 27.275,12.5 27.275,14.775 26.175,15.875 26.175,17.5 27.229,17.5 27.616,17.113 28.725,17.113 ; 28.725,20.625 28.725,21.85 28.7,21.875 31.307,21.875 ; 29.7,10.85 29.7,16.138 28.725,17.113 ; 29.875,5.5 29.875,8.35 ; 31.307,22.225 33.375,22.225 35.85,19.75 38.9,16.7 38.9,14.8 35,10.9 34.475,10.9 31.925,8.35 29.875,8.35 ; 31.475,24.3 35.4,24.3 36.675,23.025 36.675,22.75 36.675,21.9 38.275,20.3 39.125,20.3 40.8,18.625 40.8,13.685 33.815,6.7 29.875,6.7 29.875,5.2 30.7,4.375 32.306,4.375 35.325,4.375 43.075,12.125 43.075,19.875 36.85,26.1 32.45,26.1 31.307,24.957 31.307,21.718 33.725,19.3 33.725,13 31.325,10.6 25.85,10.6 ; 25.85,10.6 25.85,10.025 25.85,8.602 26.102,8.35 29.875,8.35 ; 26.2,1.325 16.8,1.325 16.175,0.7 15.075,0.7 12,3.775 10.35,3.775 6.3,7.825 6.3,13.175 6.6,13.475 6.6,15.625 7.2,16.225 7.2,22.575 7.875,23.25 7.875,24.375 11.4,27.9 40.125,27.9 45.025,23 45.025,12.85 45.638,12.237 45.638,8.913 46.425,8.125 46.425,6.625 45.8,6 40.55,6 36.2,1.65 28.65,1.65 28.325,1.325 27.85,0.85 26.675,0.85 26.2,1.325 ; 26.2,1.325 26.2,7.125 ; 12.25,10.45 13.534,9.166 14.466,9.166 15.725,10.425 15.725,12.747 16.481,13.503 16.481,14.231 16.875,14.625 17.603,14.625 18.225,15.247 18.225,15.7 17.711,16.214 16.839,16.214 16.45,15.825 15.55,15.825 13.638,13.913 13.638,13.188 12.25,11.8 12.25,10.45

## Silkscreen, mask and mechanical layers (free items; w line width, h text height)
Top Overlay:
  circle w0.3: c15.925,21.725 r0.15
  circle w0.3: c23.925,16.229 r0.15
  circle w0.3: c12.375,20.625 r0.15
  circle w0.3: c11.575,21.8 r0.15
  circle w0.3: c9.825,23.7 r0.15
  circle w0.3: c16.1,28.25 r0.15
  circle w0.3: c13.693,21.911 r0.15
  circle w0.3: c14.5,25.225 r0.15
  circle w0.3: c13.8,24.075 r0.15
  circle w0.4: c15.075,21.9 r0.2
  circle w0.3: c9.025,25.45 r0.15
  circle w0.3: c9.35,23.7 r0.15
  circle w0.3: c11.375,22.675 r0.15
  circle w0.3: c10.551,22.351 r0.15
  circle w0.4: c12.05,22.975 r0.2
  circle w0.15: c16,0.925 r0.492
  circle w0.3: c10.9,22.675 r0.15
  lines w0.2: 19.325,25.6 19.325,26.125 ; 19.725,25.6 19.725,26.125 20.275,25.575 20.275,26.125 ; 26.275,25.6 26.275,26.125 ; 26.675,25.6 26.675,26.125 27.225,25.575 27.225,26.125
  lines w0.3: 16.198,21.075 ccw(c16.05,21.05) 16.2,21.05
  text "clk" at 22.625,25.6 h0.8
  text "pps" at 18.15,24.675 h0.8
  text "GPS" at 5.1,24.6 h1
  text "TxB" at 33.025,23.925 h0.8
  text "TxA" at 41.65,23.875 h0.8
  text "R" at 24.6,10.9 h1
  text "X" at 20.238,7.825 h1.5
  text "T" at 21.713,7.825 h1.5
  text "R" at 23.213,7.825 h1.5
  text "X" at 24.663,7.825 h1.5
  text "RxA" at 36.225,4.1 h0.8
  text "RxB" at 39.85,4.1 h0.8
  text "rev.5" at 21.625,3.2 h0.8
  text "2019/04" at 20.025,1.775 h0.8
  text "C" at 15.825,0.675 h0.5
  text "airwaves" at 17.575,0.425 h1
  text "F" at 16.8,0.4 h1
Bottom Overlay:
  circle w0.15: c6.325,0.85 r0.492
  text "GPIO" at 4.3,26.525 h0.8 r270
  text "2019/04" at 3.3,20.075 h0.9 r270
  text "DAC" at 45.975,19.395 h0.7
  text "ADC" at 45.825,12.925 h0.7
  text "rev.5" at 3.3,12.8 h1 r270
  text "X" at 3.175,8.35 h2 r270
  text "R" at 3.175,6.4 h2 r270
  text "T" at 3.175,4.45 h2 r270
  text "airwaves" at 5.85,2.55 h1 r270
  text "X" at 3.175,2.5 h2 r270
  text "F" at 5.85,1.65 h1 r270
  text "C" at 6.075,0.675 h0.5 r270
Top Solder:
  rectangle: 30.3,12.225 32.9,16.725
Mechanical 1:
  circle w0.02: c48.05,2.75 r1.3
  circle w0.02: c48.05,26.95 r1.3
  circle w0.15: c16,0.925 r0.492
  region: -0.5,1.9 0.2,1.9 0.2,27.9 -0.5,27.9
  lines w0.05: 45,0 45,5.8 50.8,5.8 ; 45,29.6 45,23.9 ; 45.05,2.75 48.05,2.75 ; 45.05,26.95 48.05,26.95 ; 48.05,0.05 48.05,2.75 ; 48.05,5.75 48.05,2.75 ; 48.05,23.95 48.05,26.95 ; 48.05,29.65 48.05,26.95 ; 50.65,26.95 48.05,26.95 ; 50.75,2.75 48.05,2.75 ; 50.8,23.9 45,23.9 ; 45,23.9 45,23.9
  lines w0.2: 19.325,25.6 19.325,26.125 ; 19.725,25.6 19.725,26.125 20.275,25.575 20.275,26.125 ; 26.275,25.6 26.275,26.125 ; 26.675,25.6 26.675,26.125 27.225,25.575 27.225,26.125
  text "clk" at 22.625,25.6 h0.8
  text "pps" at 18.15,24.675 h0.8
  text "GPS" at 5.1,24.6 h1
  text "TxB" at 33.025,23.925 h0.8
  text "TxA" at 41.65,23.875 h0.8
  text "R" at 24.6,10.9 h1
  text "X" at 20.238,7.825 h1.5
  text "T" at 21.713,7.825 h1.5
  text "R" at 23.213,7.825 h1.5
  text "X" at 24.653,7.828 h1.5
  text "RxA" at 36.225,4.1 h0.8
  text "RxB" at 39.85,4.1 h0.8
  text "rev.5" at 21.625,3.2 h0.8
  text "2019/04" at 20.025,1.775 h0.8
  text "Chamfered area 2x45`, 10mil max" at -1.1,1.5 h0.9 r90
  text "C" at 15.825,0.675 h0.5
  text "airwaves" at 17.575,0.425 h1
  text "F" at 16.8,0.4 h1
  text "Top" at 33.775,-1.775 h0.9
  text ".VariantName" at 38.4,-1.8 h0.9
Mechanical 2:
  circle w0.15: c6.325,0.85 r0.492
  lines w0.05: 4.5,0 4.5,29.7
  text "2019/04" at 3.3,20.05 h0.9 r270
  text "rev.5" at 3.3,12.8 h1 r270
  text "X" at 3.175,8.36 h2 r270
  text "R" at 3.15,6.375 h2 r270
  text "T" at 3.175,4.425 h2 r270
  text "X" at 3.175,2.5 h2 r270
  text "Fairwaves" at 5.85,1.55 h1 r270
  text "C" at 6.075,0.675 h0.5 r270
  text ".VariantName" at 12.575,-1.775 h0.9
  text "Bottom" at 18.4,-1.775 h0.9

## Text inside footprints (layer, text, board x,y; h text height)
X11: Mechanical 1 "PCB Edge" at 4.75,0.55 h0.25; Mechanical 1 "1" at 8.7,4.1 h0.5; Mechanical 1 "5" at 11.1,4.2 h0.5